# KiCad board Zulassungskarte.kicad_pcb
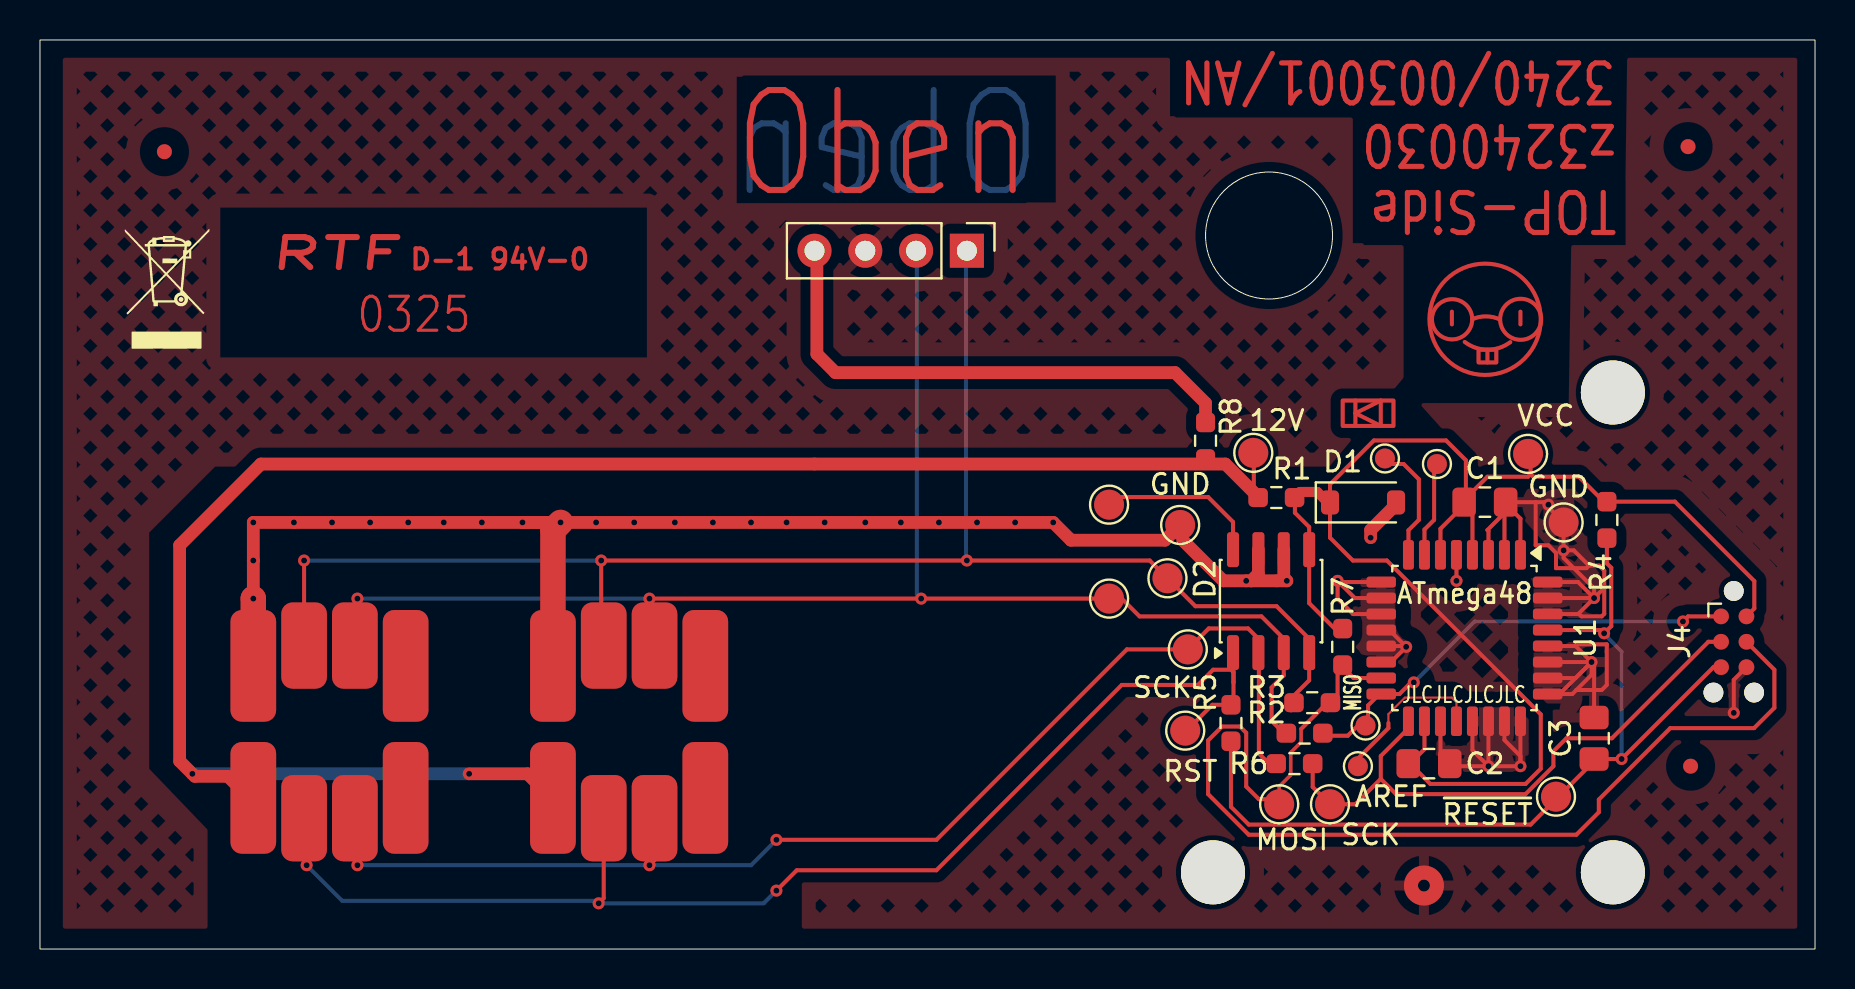
[diagram p0: board, top side]
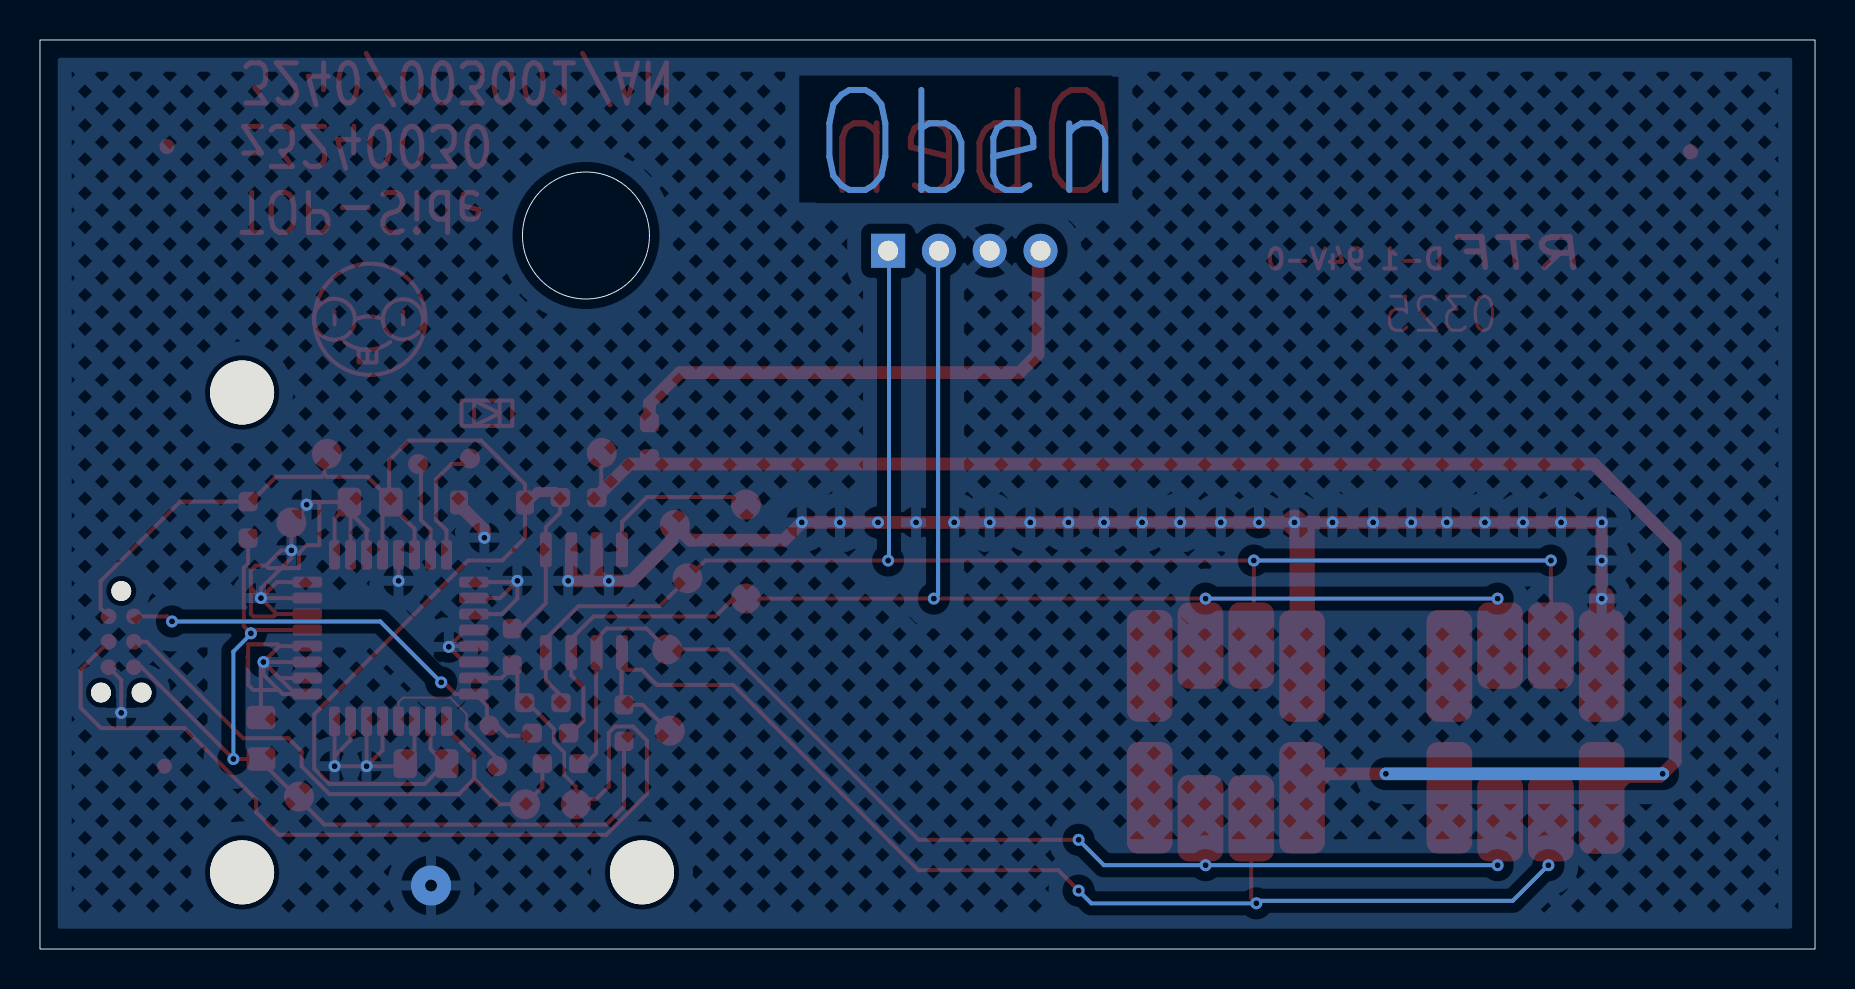
[diagram p1: board, bottom side, seen from below]

Outline 88.77 x 45.47 mm; copper layers: Top, Bottom. Coordinates in mm from the lower left corner of the outline.
Outline path: rectangle 0,45.47 88.77,0 ; circle c61.47,35.69 r3.17
Stack: Top 0.035mm / dielectric 1.51mm FR4 er 4.5 / Bottom 0.035mm

## Placement (name value [footprint] x y rotation side)
C1  100nF  [C_0805_2012Metric_Pad1.18x1.45mm_HandSolder]  72.26 22.35 0 top
C2  100nF  [C_0805_2012Metric_Pad1.18x1.45mm_HandSolder]  69.47 9.27 0 top
C3  100nF  [C_0805_2012Metric_Pad1.18x1.45mm_HandSolder]  77.72 10.54 90 top
D1  500mW 4.7V  [D_SOD-123]  66.17 22.33 0 top
D2  ESDA6V1U1  [SO-8_3.9x4.9mm_P1.27mm]  61.57 17.4 90 top
FID1  Fiducial  [Fiducial_0.75mm_Mask2.25mm]  6.22 39.88 0 top
FID2  Fiducial  [Fiducial_0.75mm_Mask2.25mm]  82.42 40.13 0 top
FID3  Fiducial  [Fiducial_0.75mm_Mask2.25mm]  82.55 9.14 0 top
H1  MountingHole  [MountingHole_3.2mm_M3]  78.66 27.83 0 top
H2  MountingHole  [MountingHole_3.2mm_M3]  78.66 3.83 0 top
H3  MountingHole  [MountingHole_3.2mm_M3]  58.66 3.83 0 top
J1  Conn_02x04_Counter_Clockwise  [ZLK]  30.73 19.75 0 top
J2  Conn_02x04_Counter_Clockwise  [ZLK]  15.75 19.75 0 top
J3  Conn_01x04_Pin  [PinHeader_1x04_P2.54mm_Vertical]  46.36 34.92 270 top  (not fitted)
J4  Conn_02x03_Odd_Even  [Tag-Connect_TC2030-IDC-NL_2x03_P1.27mm_Vertical]  84.71 15.37 270 top  (not fitted)
R1  270  [R_0603_1608Metric_Pad0.98x0.95mm_HandSolder]  61.83 22.58 0 top
R2  470  [R_0603_1608Metric_Pad0.98x0.95mm_HandSolder]  63.25 10.79 0 top
R3  470  [R_0603_1608Metric_Pad0.98x0.95mm_HandSolder]  63.63 12.32 0 top
R4  10k  [R_0603_1608Metric_Pad0.98x0.95mm_HandSolder]  78.37 21.46 270 top
R5  470  [R_0603_1608Metric_Pad0.98x0.95mm_HandSolder]  59.56 11.3 90 top
R6  470  [R_0603_1608Metric_Pad0.98x0.95mm_HandSolder]  62.74 9.27 0 top
R7  10k  [R_0603_1608Metric_Pad0.98x0.95mm_HandSolder]  65.15 15.11 270 top
R8  270  [R_0603_1608Metric_Pad0.98x0.95mm_HandSolder]  58.29 25.42 270 top  (not fitted)
SYM1  SYM_Arrow_Normal  [WEEE-Logo_4.2x6mm_SilkScreen]  6.35 33.02 0 top
TP1  MISO  [TestPoint_Pad_D1.5mm]  53.47 17.53 0 top
TP2  GND  [TestPoint_Pad_D1.5mm]  57.02 21.21 0 top
TP3  RST  [TestPoint_Pad_D1.5mm]  57.28 10.92 0 top
TP4  MOSI  [TestPoint_Pad_D1.5mm]  61.98 7.24 0 top
TP5  MOSI  [TestPoint_Pad_D1.5mm]  56.39 18.54 0 top
TP6  SCK  [TestPoint_Pad_D1.5mm]  64.52 7.24 0 top
TP7  I/O6  [TestPoint_Pad_D1.5mm]  53.47 22.22 0 top
TP8  12V  [TestPoint_Pad_D1.5mm]  60.68 24.82 0 top
TP9  SCK  [TestPoint_Pad_D1.5mm]  57.4 14.99 0 top
TP10  ISP MISO  [TestPoint_Pad_D1.0mm]  66.29 11.18 0 top
TP11  GND  [TestPoint_Pad_D1.5mm]  76.2 21.34 0 top
TP12  AREF  [TestPoint_Pad_D1.0mm]  65.91 9.14 0 top
TP13  ~{RESET}  [TestPoint_Pad_D1.5mm]  75.82 7.62 0 top
TP14  XTAL1  [TestPoint_Pad_D1.0mm]  69.86 24.26 0 top
TP15  XTAL2  [TestPoint_Pad_D1.0mm]  67.27 24.53 0 top
TP16  VCC  [TestPoint_Pad_D1.5mm]  74.42 24.76 0 top
U1  ATmega48  [TQFP-32_7x7mm_P0.8mm]  71.24 15.55 270 top

## Library data of the parts
C1-C3 = -: Description: Unpolarized capacitor; LCSC: C49678; ki_fp_filters: C_*
D1 = -: Description: Diode; Sim.Device: D; Sim.Pins: 1=K 2=A; LCSC: C8598; ki_fp_filters: TO-???* *_Diode_* *SingleDiode* D_*
D2 = -: Datasheet: https://www.st.com/resource/en/datasheet/esda6v1u1.pdf; LCSC: C4355040
FID1-FID3 = -: Description: Fiducial Marker; ki_fp_filters: Fiducial*
H1-H3 = -: Description: Mounting Hole without connection; ki_fp_filters: MountingHole*
J1 J2 = -: Description: Generic connector, double row, 02x04, counter clockwise pin numbering scheme (similar to DIP package numbering), script generated (kicad-library-utils/schlib/autogen/connector/); ki_fp_filters: Connector*:*_2x??_*
J3 = -: Description: Generic connector, single row, 01x04, script generated; ki_fp_filters: Connector*:*_1x??_*
J4 = -: Description: Generic connector, double row, 02x03, odd/even pin numbering scheme (row 1 odd numbers, row 2 even numbers), script generated (kicad-library-utils/schlib/autogen/connector/); ki_fp_filters: Connector*:*_2x??_*
R1 R8 = -: Description: Resistor; LCSC: C22966; ki_fp_filters: R_*
R2 R3 R5 R6 = -: Description: Resistor; LCSC: C23179; ki_fp_filters: R_*
R4 R7 = -: Description: Resistor; LCSC: C25804; ki_fp_filters: R_*
SYM1 = -: Description: Filled arrow, 200mil; Sim.Enable: 0
TP1-TP9 TP11-TP16 = -: Description: test point; ki_fp_filters: Pin* Test*
TP10 = -: Description: MISO; ki_fp_filters: Pin* Test*
U1 = -: Datasheet: http://ww1.microchip.com/downloads/en/DeviceDoc/Atmel-2545-8-bit-AVR-Microcontroller-ATmega48-88-168_Datasheet.pdf; Description: 20MHz, 4kB Flash, 512B SRAM, 256B EEPROM, TQFP-32; LCSC: C9433; ki_fp_filters: TQFP*7x7mm*P0.8mm*

## Footprints (pads in the part's own frame, mm; a bottom-side part is the same pattern mirrored in y, then rotated)
C_0805_2012Metric_Pad1.18x1.45mm_HandSolder
  rrect 1.175x1.45 smd: 1(-1.038,0) 2(1.038,0)
D_SOD-123
  rrect 0.9x1.2 smd: 1(-1.65,0) 2(1.65,0)
Fiducial_0.75mm_Mask2.25mm
  round 0.75 smd: (0,0)
MountingHole_3.2mm_M3
  round 3.2 hole 3.2 unplated: (0,0)
PinHeader_1x04_P2.54mm_Vertical
  rect 1.7x1.7 hole 1: 1(0,0)
  round 1.7 hole 1: 2(0,-2.54) 3(0,-5.08) 4(0,-7.62)
R_0603_1608Metric_Pad0.98x0.95mm_HandSolder
  rrect 0.975x0.95 smd: 1(-0.912,0) 2(0.912,0)
SO-8_3.9x4.9mm_P1.27mm
  rrect 1.75x0.6 smd: 1(-2.575,1.905) 2(-2.575,0.635) 3(-2.575,-0.635) 4(-2.575,-1.905) 5(2.575,-1.905) 6(2.575,-0.635) 7(2.575,0.635) 8(2.575,1.905)
Tag-Connect_TC2030-IDC-NL_2x03_P1.27mm_Vertical
  round 0.991 hole 0.991 unplated: (-2.54,0) (2.54,1.016) (2.54,-1.016)
  round 0.787 smd: 1(-1.27,-0.635) 2(-1.27,0.635) 3(0,-0.635) 4(0,0.635) 5(1.27,-0.635) 6(1.27,0.635)
TestPoint_Pad_D1.0mm
  round 1 smd: 1(0,0)
TestPoint_Pad_D1.5mm
  round 1.5 smd: 1(0,0)
TQFP-32_7x7mm_P0.8mm
  rrect 1.475x0.55 smd: 1(-4.162,2.8) 2(-4.162,2) 3(-4.162,1.2) 4(-4.162,0.4) 5(-4.162,-0.4) 6(-4.162,-1.2) 7(-4.162,-2) 8(-4.162,-2.8) 17(4.162,-2.8) 18(4.162,-2) 19(4.162,-1.2) 20(4.162,-0.4) 21(4.162,0.4) 22(4.162,1.2) 23(4.162,2) 24(4.162,2.8)
  rrect 0.55x1.475 smd: 9(-2.8,-4.162) 10(-2,-4.162) 11(-1.2,-4.162) 12(-0.4,-4.162) 13(0.4,-4.162) 14(1.2,-4.162) 15(2,-4.162) 16(2.8,-4.162) 25(2.8,4.162) 26(2,4.162) 27(1.2,4.162) 28(0.4,4.162) 29(-0.4,4.162) 30(-1.2,4.162) 31(-2,4.162) 32(-2.8,4.162)
ZLK
  rrect 2.286x5.588 smd: 1(-5.08,-12.192) 4(2.54,-12.192) 5(2.54,-5.588) 8(-5.08,-5.588)
  rrect 2.286x4.318 smd: 2(-2.54,-13.208) 3(0,-13.208) 6(0,-4.572) 7(-2.54,-4.572)

## Nets
+5V: J1.1 J2.1 R1.1 R8.2 TP8.1
GND: C1.2 C2.2 C3.2 D1.2 D2.6 D2.7 J1.8 J2.8 J3.3 J4.6 TP2.1 TP11.1 U1.1 U1.2 U1.3 U1.5 U1.9 U1.10 U1.11 U1.12 U1.13 U1.14 U1.19 U1.21 U1.22 U1.23 U1.24 U1.25 U1.26 U1.27 U1.28 U1.30 U1.31 U1.32
VCC: C1.1 C2.1 D1.1 D2.5 J4.2 R1.2 R4.1 R7.1 TP16.1 U1.4 U1.6 U1.18
ISP_MISO: J4.1 R2.2 TP10.1 U1.16
ISP_MOSI: J4.4 R3.2 R7.2 TP4.1 U1.15
ISP_RESET: C3.1 J4.5 R4.2 R5.1 TP13.1 U1.29
ISP_SCK: J4.3 R6.2 TP6.1 U1.17
MISO: D2.3 J1.6 J2.6 J3.2 R2.1 TP1.1
MOSI: D2.4 J1.7 J2.7 J3.1 R3.1 TP5.1
RST: D2.1 J1.2 J2.2 R5.2 TP3.1
SCK: D2.2 J1.3 J2.3 R6.1 TP9.1
Net-(D2-I/O_6): D2.8 TP7.1
Net-(J3-Pin_4): J3.4 R8.1
Net-(U1-AREF): TP12.1 U1.20
Net-(U1-XTAL1/PB6): TP14.1 U1.7
Net-(U1-XTAL2/PB7): TP15.1 U1.8

Pads without a net: J1 4 5; J2 4 5

## Via types
v1: diameter 0.6, hole 0.3, Top to Bottom, 55 vias
v2: diameter 2, hole 0.6, Top to Bottom, 1 via

## Routing (per net, layer and track width the routed paths; a pad name or vN(x,y) marks a point on that pad's centre or on a via; arc(x,y) is an arc through that point)
+5V: length 92.5
  Top w0.2: 60.71,24.76 60.71,22.84 60.94,22.61
  Top w0.635: 25.65,7.49 24.38,8.76 v1(21.46,8.76) ; 60.94,22.61 59.29,24.26 11.05,24.26 6.98,20.19 6.98,9.4 v1(7.62,8.76) 7.75,8.64 9.4,8.64 10.67,7.37
  Bottom w0.635: v1(21.46,8.76) v1(7.62,8.76)
GND: length 164.7
  Top w0.2: v1(64.9,18.41) 64.9,17.53 65.67,16.75 66.99,16.75 ; v1(64.9,18.41) 64.96,18.35 66.99,18.35 ; v1(64.9,18.41) 65.76,17.55 66.99,17.55 ; 70.84,19.8 v1(70.84,18.41) ; v1(77.72,17.55) 77.72,18.03 76.2,19.56 v1(76.2,19.94) ; v1(77.72,17.55) 76.92,16.75 ; v1(77.72,17.55) 76.92,18.35 75.49,18.35 ; v1(77.72,17.55) 78.23,18.06 ; v1(77.72,17.55) 75.49,17.55 ; 78.23,18.06 78.23,16.76 78.1,16.64 77.09,16.64 76.97,16.75 76.92,16.75 ; 78.23,18.06 78.23,18.92 77.98,19.18 77.47,19.18 ; 77.47,19.18 77.34,19.05 75.82,19.05 75.82,19.81 75.44,20.19 74.8,20.19 74.8,22.35 ; 77.47,19.18 76.71,19.94 v1(76.2,19.94) ; v1(76.2,19.94) TP11.1 75.44,22.1 v1(75.44,22.22) 75.31,22.35 74.8,22.35 ; v1(77.6,14.35) 77.72,14.23 77.72,11.49 ; v1(77.6,14.35) 76.8,15.15 ; v1(77.6,14.35) 75.49,14.35 ; v1(77.6,14.35) 76.8,13.55 75.49,13.55 ; v1(77.6,14.35) 77.6,13.72 76.84,12.95 ; v1(77.6,14.35) 76,12.75 75.49,12.75 76.63,12.75 76.84,12.95 ; 76.8,15.15 75.49,15.15 ; 76.8,15.15 76.88,15.24 78.36,15.24 78.36,13.21 78.1,12.95 76.84,12.95 ; 73.21,22.35 73.24,22.32 73.24,19.8 ; 73.21,22.35 74.8,22.35 ; 73.21,22.35 74.04,21.52 74.04,19.8 ; 73.21,22.35 73.21,21.78 72.39,20.95 72.44,20.9 72.44,19.8 ; v1(72.44,9.14) 71.64,9.94 71.64,11.3 ; v1(72.44,9.14) 70.55,9.14 70.04,9.65 70.04,11.3 ; v1(72.44,9.14) v1(74.04,9.14) ; v1(72.44,9.14) 72.44,11.3 ; 76.92,16.75 75.49,16.75 ; v1(68.33,15.11) 68.29,15.15 66.99,15.15 ; v1(68.33,15.11) 67.57,14.35 66.99,14.35 ; v1(68.33,15.11) 67.49,15.95 66.99,15.95 ; v1(74.04,9.14) 74.04,9.65 73.24,10.45 73.24,11.3 ; v1(74.04,9.14) 74.04,11.3 ; J4.6 84.71,13.46 v1(84.71,11.81)
  Top w0.635: D1.2 67.82,22.22 ; 67.82,22.22 67.63,22.03 ; 67.82,22.22 66.55,20.96 v1(66.55,20.57) ; v1(24.13,21.34) v1(22.1,21.34) v1(20.19,21.34) v1(18.41,21.34) v1(16.51,21.34) v1(14.61,21.34) v1(12.7,21.34) v1(10.67,21.34) v1(10.67,19.43) v1(10.67,17.53) 10.41,17.53 ; v1(24.13,21.34) v1(27.81,21.34) v1(29.72,21.34) v1(31.75,21.34) v1(33.66,21.34) v1(35.56,21.34) v1(37.34,21.34) v1(39.24,21.34) v1(41.27,21.34) v1(43.05,21.34) v1(44.96,21.34) v1(46.86,21.34) v1(48.77,21.34) v1(50.67,21.34) 51.56,20.45 56.26,20.45 TP2.1 ; v1(24.13,21.34) v1(26.03,21.34) ; D2.7 60.93,18.77 60.58,18.41 ; 57.15,20.45 59.18,18.41 v1(60.32,18.41) 60.58,18.41 ; 60.58,18.41 v1(62.36,18.41) 62.2,18.57 D2.6
  Top w1.27: v1(26.03,21.34) 25.65,20.95 J1.8 ; v1(10.67,17.53) 10.67,17.53 10.67,13.97
  vias: v2(69.22,3.17)
VCC: length 75.2
  Top w0.2: 64.9,15.87 63.47,17.3 D2.5 63.47,21.11 62.76,21.82 62.76,22.61 ; D1.1 64.52,20.57 65.66,19.43 67.36,19.43 75.06,11.74 75.06,9.02 74.3,8.25 69.53,8.25 68.52,9.27 69.24,9.99 69.24,11.3 ; D1.1 64.52,22.35 ; D1.1 64.52,23.24 66.71,25.43 70.32,25.43 71.31,24.44 71.31,22.35 ; 71.31,22.35 71.64,22.02 71.64,19.8 ; 71.31,22.35 71.31,22.54 72.39,23.62 74.42,23.62 74.55,23.75 ; 71.31,22.35 71.31,22.29 70.04,21.02 70.04,19.8 ; TP16.1 74.55,24.64 74.55,23.75 ; 74.55,23.75 74.68,23.62 76.96,23.62 77.98,22.61 78.13,22.61 R4.1 81.76,22.38 85.74,18.4 85.74,17.03 J4.2
  Top w0.5: 62.76,22.61 63.02,22.86 63.88,22.86 64.41,22.33 D1.1
ISP_MISO: length 23.1
  Top w0.2: 64.16,10.67 65.41,10.67 65.91,11.18 TP10.1 66.42,11.3 66.42,12.18 66.99,12.75 67.99,12.75 68.57,13.33 v1(68.71,13.33) ; J4.1 82.42,16.64 v1(82.17,16.38) ; R2.2 64.16,10.56
  Bottom w0.2: v1(68.71,13.33) 71.75,16.38 v1(82.17,16.38)
ISP_MOSI: length 57
  Top w0.175: TP4.1 61.98,8.13 62.55,8.7 62.55,9.83 63.07,10.35 63.07,11.01
  Top w0.2: 64.39,11.94 64.9,12.45 64.9,13.95 R7.2 65.15,14.1 65.69,13.55 66.99,13.55 ; TP4.1 61.72,7.49 60.96,7.49 60.33,8.13 60.33,10.81 60.01,11.13 59.12,11.13 58.42,10.43 58.42,7.75 60.45,5.71 76.84,5.71 77.96,6.84 77.96,7.48 81.53,11.05 85.72,11.05 86.74,12.06 86.74,13.97 J4.4 ; 64.24,12.32 R3.2 64.38,12.32 63.07,11.01
ISP_RESET: length 46.5
  Top w0.2: J4.5 83.69,14.1 v1(79.1,9.5) C3.1 ; 78.17,9.59 77.72,9.59 77.72,9.4 74.55,6.22 60.45,6.22 59.56,7.11 R5.1 ; R4.2 78.37,19.29 78.58,19.07 78.58,16.15 v1(78.23,15.79) 78.06,15.95 75.49,15.95
  Bottom w0.2: v1(78.23,15.79) 78.23,15.75 79.1,14.88 v1(79.1,9.5)
ISP_SCK: length 29.8
  Top w0.2: 68.44,11.3 68.44,11.04 67.06,9.65 67.06,8.51 ; R6.2 63.65,8.1 TP6.1 65.79,7.24 67.06,8.51 ; J4.3 83.44,15.37 78.61,10.54 76.34,10.54 75.69,9.89 75.69,9.14 74.3,7.75 67.82,7.75 67.06,8.51
MISO: length 74.9
  Top w0.2: 62.33,10.67 61.59,11.41 61.59,13.08 62.2,13.69 D2.3 62.2,15.52 61.09,16.64 54.99,16.64 54.1,17.53 TP1.1 v1(44.07,17.53) v1(30.48,17.53) 30.48,15.43 J1.6 ; J2.6 15.75,17.4 v1(15.88,17.53)
  Bottom w0.2: v1(30.48,17.53) v1(15.88,17.53) ; v1(44.07,17.53) 43.86,17.74 43.86,34.92
MOSI: length 79.9
  Top w0.2: J1.7 28.07,15.31 v1(28.07,19.43) v1(46.36,19.43) 55.5,19.43 TP5.1 57.78,17.14 61.84,17.14 63.47,15.52 D2.4 63.47,13.44 62.56,12.53 62.56,11.94 ; J2.7 v1(13.21,19.43)
  Bottom w0.2: J3.1 46.31,34.88 46.31,19.47 v1(46.36,19.43) ; v1(13.21,19.43) v1(28.07,19.43)
RST: length 64.8
  Top w0.2: J2.2 13.21,4.32 v1(13.33,4.19) ; J1.2 28.19,2.54 v1(27.94,2.29) ; 59.69,13.33 59.69,12.34 R5.2 58.63,12.22 57.34,10.92 TP3.1 ; 59.69,13.33 59.69,13.84 59.56,13.97 58.67,13.97 57.91,13.21 54.1,13.21 44.83,3.94 37.85,3.94 v1(36.83,2.92) ; 59.69,13.33 59.69,14.8 D2.1
  Bottom w0.2: v1(36.83,2.92) 36.19,2.29 v1(27.94,2.29) 27.81,2.41 15.11,2.41 v1(13.33,4.19)
SCK: length 62
  Top w0.2: 61.83,9.02 61.72,9.02 60.96,9.78 60.96,14.8 D2.2 60.93,15.52 60.42,16.03 58.45,16.03 TP9.1 54.36,14.99 44.83,5.46 v1(36.83,5.46) ; J1.3 30.73,4.44 v1(30.48,4.19) ; J2.3 15.75,4.32 v1(15.88,4.19)
  Bottom w0.2: v1(36.83,5.46) 35.56,4.19 v1(30.48,4.19) v1(15.88,4.19)
Net-(D2-I/O_6): length 8.3
  Top w0.2: D2.8 59.66,21.36 58.42,22.61 53.85,22.61 TP7.1
Net-(J3-Pin_4): length 26.6
  Top w0.635: 58.29,26.34 58.29,27.3 56.77,28.83 39.78,28.83 38.86,29.76 38.86,34.92
Net-(U1-AREF): length 8.1
  Top w0.1: 67.44,11.3 67.44,11.75 68.26,12.57 70.61,12.57 70.84,12.34 70.84,11.3
  Top w0.2: 67.44,11.3 67.44,11.05 65.91,9.52 TP12.1
Net-(U1-XTAL1/PB6): length 4.7
  Top w0.2: TP14.1 69.86,24.14 69.72,24 69.72,21.46 69.24,20.98 69.24,19.8
Net-(U1-XTAL2/PB7): length 6.1
  Top w0.2: TP15.1 67.27,24.35 67.36,24.26 68.2,24.26 68.96,23.49 68.96,21.46 68.44,20.94 68.44,19.8

## Copper pours and planes (outline as drawn; the poured copper is in the pictures)
GND on Top, Bottom: 1.14,44.58 1.14,1.02 87.88,1.02 87.88,44.58
VCC on Top: 67.94,18.41 74.17,18.41 74.17,12.45 67.94,12.45

## Text on the board
Bottom: Oben
Top: D-1 94V-0 | 0325 | 3240/003001/AN | z3240030 | TOP-Side | RTF | Oben
F.Silkscreen: JLCJLCJLCJLC
